# KiCad board PC110.kicad_pcb (continued)
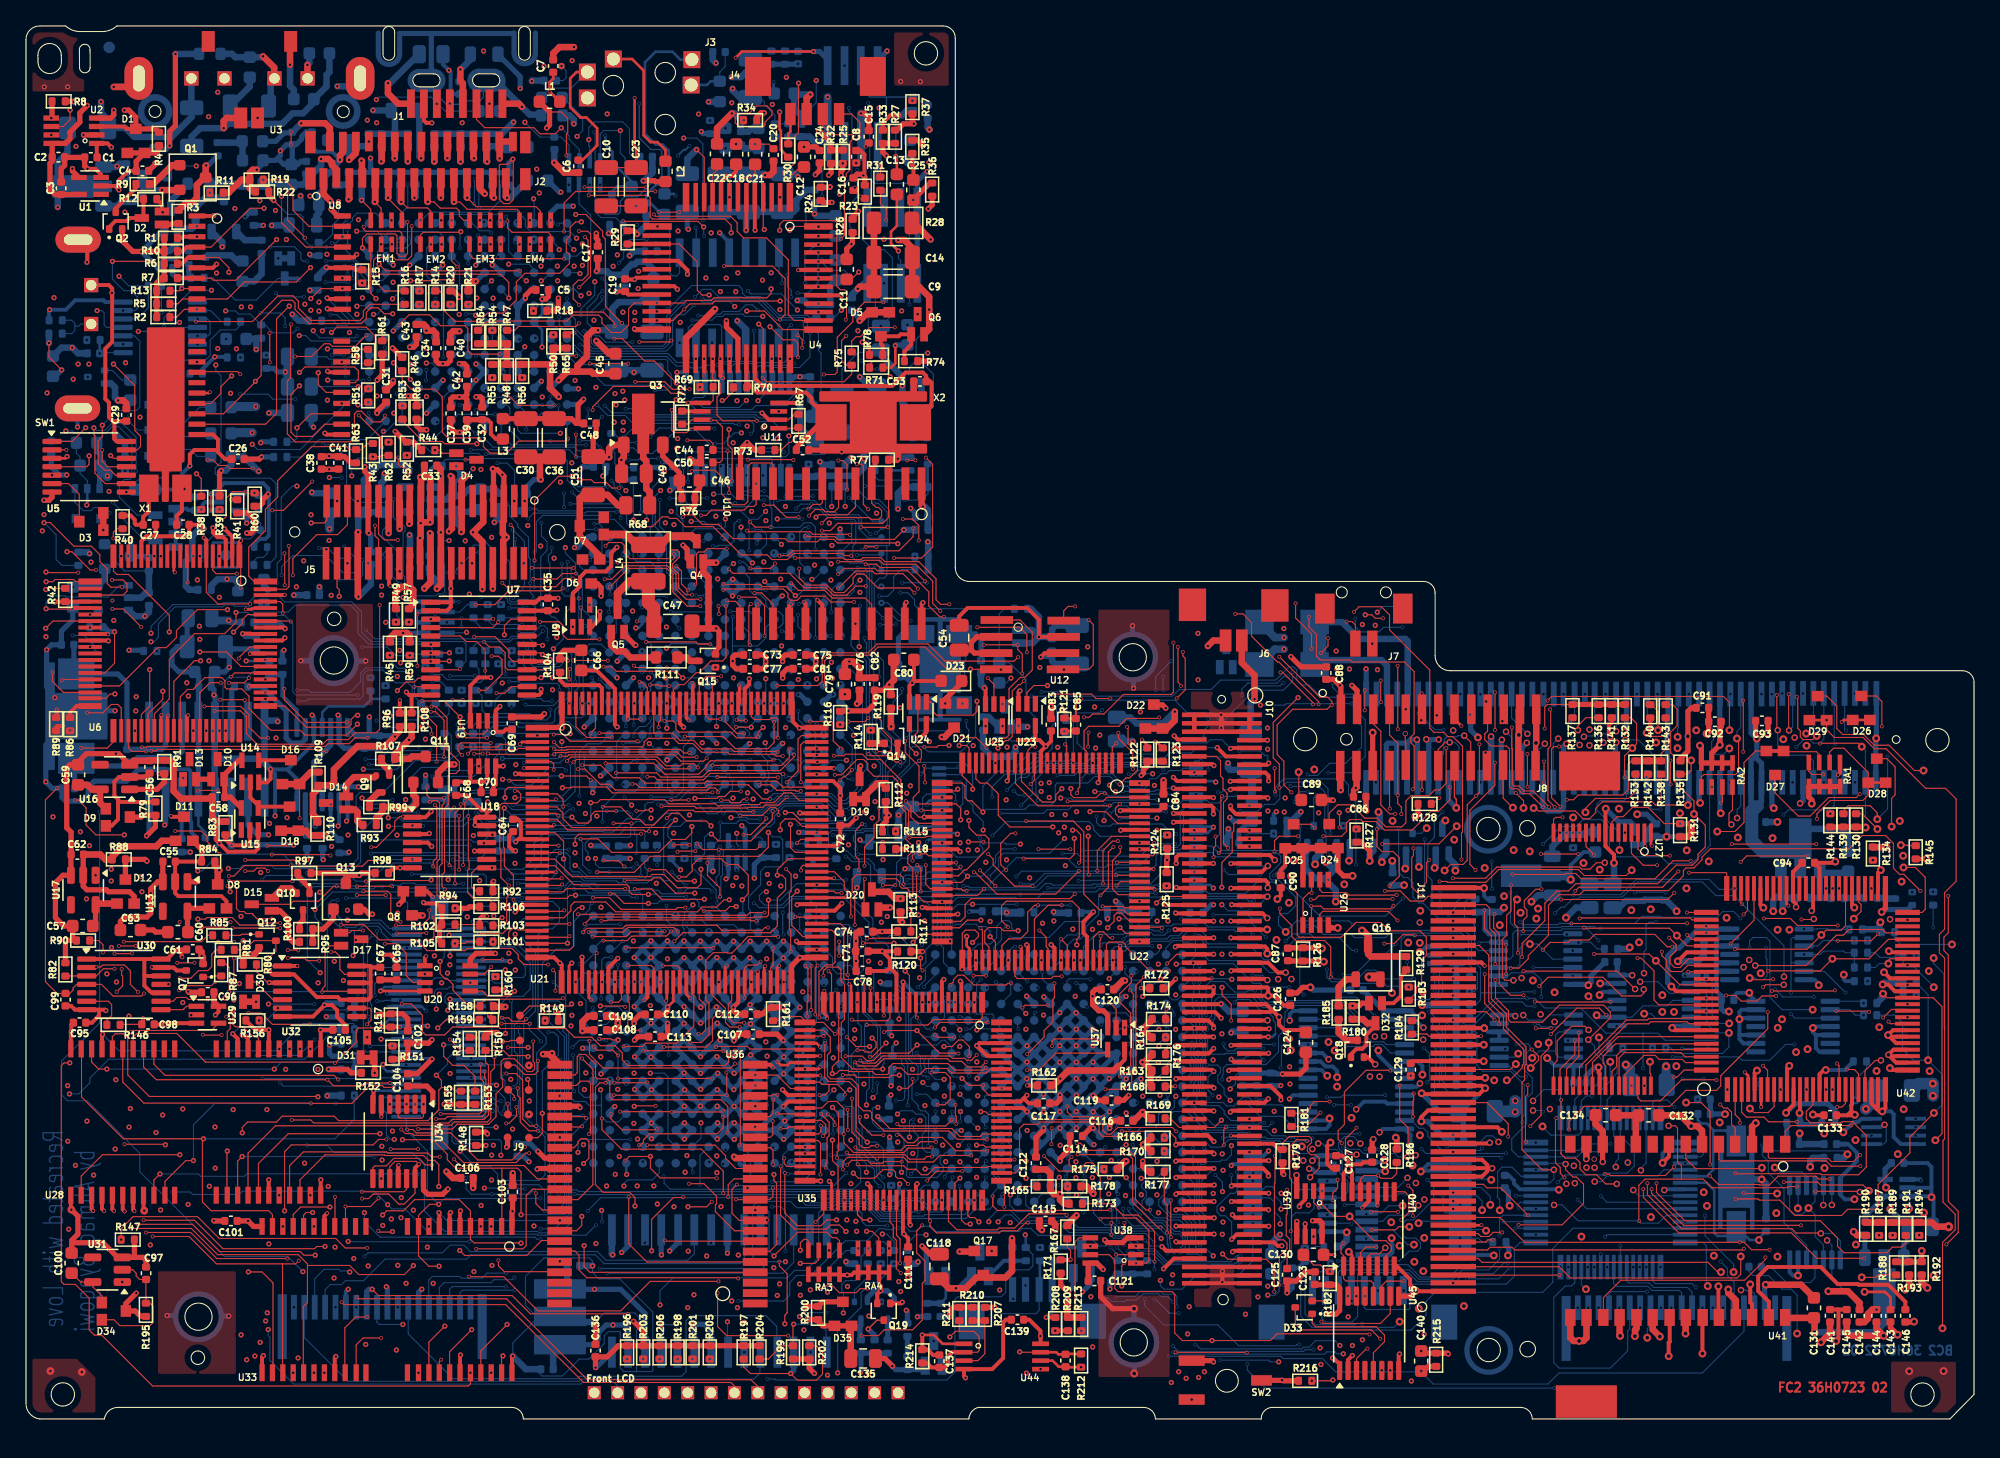
[diagram p0: board, top side]
## Routing (per net, layer and track width the routed paths; a pad name or vN(x,y) marks a point on that pad's centre or on a via; arc(x,y) is an arc through that point) (continued)
CPU_D17: length 155.4
  FC1 w0.08: v1(35.86,18.41) 35.96,18.31 35.96,14.96 v3(35.84,14.84)
  IC1 w0.08: v1(28.91,17.06) 31.14,17.06 31.41,17.33 32.71,17.33 33.79,18.41 v1(35.86,18.41)
  IC2 w0.08: v1(27.51,27.32) 27.63,27.2 28.91,27.2 29.24,27.53 v1(29.24,47.73) ; v1(32.59,67.69) 32.12,67.22 28.15,67.22 24.9,70.47 22.26,70.47 21.56,71.17 21.56,83.84 21.18,84.22 21.18,85.6 v1(21.48,85.9)
  IC3 w0.08: v1(35.86,18.41) 35.88,18.43 59.02,18.43 59.52,18.93 v1(62.13,18.93)
  IC4 w0.08: v1(27.51,27.32) 28.06,27.32 29.36,26.02 29.36,18.45 28.91,18 v1(28.91,17.06)
  BC1 w0.08: v1(29.24,47.73) 29.24,51.6 28.86,51.98 28.86,54.57 29.73,55.44 29.73,56.59 30.07,56.93 30.07,57.82 29.49,58.4 29.49,60.81 29.32,60.98 28.99,60.98 28.79,61.18 28.79,61.5 29.8,62.51 v7(29.8,63.43) ; v7(45,63.53) 44.29,62.82 43.42,62.82 43.11,62.51 42.38,62.51 41.17,63.72 40.1,63.72 39.21,62.83 v7(38.26,62.83) ; v1(21.48,85.9) 21.12,86.26 21.12,87.26 21.35,87.49 21.35,90.15 21.82,90.62 v7(23.56,90.62) ; v7(35.07,63.35) 34.72,63 34,63 33.52,63.48 32.67,63.48 32.56,63.59 v7(32.25,63.59)
  BC2 w0.08: 44.93,64.18 45,64.11 v7(45,63.53) ; U76.R16 61.48,19.57 62.12,18.93 v1(62.13,18.93) ; v1(32.59,67.69) 32.19,67.69 31.92,67.42 31.92,66.17 32.25,65.84 v7(32.25,63.59) 31.76,63.59 31.6,63.43 v7(29.8,63.43) ; v7(23.56,90.62) 23.88,90.62 24.44,91.18 24.44,91.82 24.73,92.11 24.9,92.11 25.16,92.37 25.16,92.59 25.49,92.92 26.94,92.92 U51.B1 ; v7(35.07,63.35) 36.91,63.35 37.08,63.18 37.08,63.01 37.3,62.79 38.22,62.79 v7(38.26,62.83)
  BC2 w0.2: v1(27.51,27.32) 27.51,27.08 27.8,26.79 J15.23
CPU_D18: length 159.8
  FC1 w0.08: v3(35.04,14.84) 35.06,14.86 v1(35.06,16.45)
  IC2 w0.08: v1(28.23,22.18) 28.24,22.17 31.33,22.17 34.87,18.63 34.87,17.42 35.06,17.23 v1(35.06,16.45)
  IC3 w0.08: v1(43.9,13.52) 43.9,15.67 43.09,16.48 35.09,16.48 v1(35.06,16.45)
  BC1 w0.08: v7(43.42,64.08) 43.11,64.39 40.87,64.39 40.76,64.28 39.69,64.28 39.51,64.1 v7(39.16,64.1) ; v1(43.9,13.52) 44.57,14.19 58.71,14.19 59.34,14.82 59.34,18.9 60.06,19.62 v7(60.06,19.64) ; v1(28.23,22.18) 28.23,25.68 27.67,26.24 v7(27.12,26.24) ; v7(39.14,66.2) 38.78,66.2 38.62,66.04 26.45,66.04 26.29,66.2 v7(25.9,66.2) ; v7(18.23,26.23) 18.23,29.26 17.73,29.76 17.73,38.5 16.49,39.74 16.49,52.32 18.65,54.48 21.2,54.48 21.82,55.1 21.82,61.69 22.99,62.86 24.35,62.86 24.57,63.08 24.57,64.18 v7(24.07,64.68) 24.07,71.82 23.97,71.92 23.97,82.48 24.11,82.62 24.11,84.07 23.99,84.19 23.99,85.15 24.06,85.22 24.06,90.28 24.58,90.8 v7(28.71,90.8)
  BC2 w0.08: v7(39.14,66.2) 39.14,64.12 v7(39.16,64.1) ; v7(18.23,26.23) 27.11,26.23 v7(27.12,26.24) 27.17,26.29 J15.24 ; 43.66,64.18 43.56,64.08 v7(43.42,64.08) ; U51.C2 28.9,90.8 v7(28.71,90.8) ; v7(25.9,66.2) 25.93,66.17 25.93,65.01 25.6,64.68 v7(24.07,64.68)
CPU_D19: length 168.7
  FC2 w0.08: v1(38.13,13.55) 38.11,13.57 34.51,13.57 34.23,13.85 U33.5 34.23,16.04 33.37,16.9 29.94,16.9 29.08,16.04 27.79,16.04 v1(27.47,15.72)
  BC1 w0.08: v7(27.49,66.38) 26.73,66.38 26.38,66.73 25.35,66.73 v7(24.95,66.33) 24.93,66.31 24.93,65.15 25.12,64.96 25.12,62.15 25.29,61.98 25.29,56.68 24.86,56.25 24.86,53.7 17.82,46.66 17.82,44.41 19.31,42.92 19.31,27.65 19.56,27.4 v7(19.56,25.92) ; v7(28.79,64.36) 29.31,64.88 30.72,64.88 30.93,64.67 34.23,64.67 34.66,65.1 45.23,65.1 45.48,64.85 v7(45.48,64.6) ; v7(60.07,20.92) 59.7,20.55 57.1,20.55 55.4,18.85 55.4,16.7 54.6,15.9 45.86,15.9 45.21,16.55 39.06,16.55 38.57,16.06 38.57,13.99 v1(38.13,13.55) ; v7(23.58,81.99) 22.57,81.99 22.12,81.54 22.12,78.73 22.1,78.71 22.59,78.22 v7(22.59,67.1) ; v7(25.67,25.67) 25.67,19.55 27.35,17.87 27.35,16.37 27.47,16.25 v1(27.47,15.72) ; v7(24.49,81.99) 24.49,84.11 24.76,84.38 24.76,86.24 25.87,87.35 27.18,87.35 27.47,87.06 27.47,84.41 27.58,84.3 29.22,84.3 29.67,84.75 29.67,85.38 v7(31.03,86.74)
  BC2 w0.08: 29.33,25.78 29.32,25.79 26.16,25.79 26.04,25.67 v7(25.67,25.67) 25.65,25.65 19.83,25.65 v7(19.56,25.92) ; v7(27.49,66.38) 27.49,66.67 27.69,66.87 28,66.87 28.23,66.64 28.23,64.92 v7(28.79,64.36) ; v7(24.95,66.33) 24.03,66.33 23.26,67.1 v7(22.59,67.1) ; 46.2,62.91 45.48,63.63 v7(45.48,64.6) ; U51.E5 31.19,86.74 v7(31.03,86.74) ; v7(24.49,81.99) v7(23.58,81.99)
CPU_D20: length 171.5
  FC2 w0.3: v1(32.7,15.91) 32.64,15.85 U33.7
  FC1 w0.08: v1(47.19,88.44) 47.68,87.95 47.68,80.28 48.08,79.88 48.08,70.24 49.25,69.07 v1(49.25,69.06) ; v1(32.7,15.91) 32.7,16.4 29.27,19.83 29.27,20.05 28.37,20.95 v1(28.37,21.54)
  IC1 w0.08: v1(32.7,15.91) 33.41,15.2 38.15,15.2 39.08,16.13 44.28,16.13 v1(44.34,16.07)
  IC4 w0.08: v1(44.34,16.07) 44.34,16.61 44.99,17.26 48.17,17.26 48.77,17.86 48.77,39.19 49.34,39.76 49.34,43.86 49.24,43.96 49.24,47.71 50.49,48.96 50.49,50.59 50.12,50.96 50.12,64.51 49.24,65.39 49.24,69.05 v1(49.25,69.06)
  BC1 w0.08: 47.19,88.45 47.19,90.42 46.15,91.46 46.15,92.96 46.03,93.08 46.03,97.31 45.66,97.68 40.74,97.68 39.21,99.21 39.21,99.8 38.51,100.5 37.66,100.5 36.83,101.33 36.05,101.33 35.57,100.85 35.57,98.89 35.98,98.48 35.98,95.89 35.19,95.1 29.47,95.1 v7(29.41,95.16) ; v1(49.25,69.06) 49.25,68.27 49.49,68.03 49.49,65.66 50.3,64.85 50.3,60.94 v7(50.32,60.92) ; v7(58.99,19.82) 58.57,20.24 57.22,20.24 56.78,19.8 56.78,16.05 55.93,15.2 44.39,15.2 v7(44.37,15.22)
  BC2 w0.08: 50.02,61.61 50.02,61.22 v7(50.32,60.92) ; v7(44.37,15.22) 44.37,16.04 v1(44.34,16.07) ; 29.33,24.78 29.32,24.79 27.48,24.79 27.28,24.59 27.28,24.05 27.77,23.56 27.77,21.86 28.09,21.54 v1(28.37,21.54) ; U51.C1 28.98,92.98 29.41,93.41 v7(29.41,95.16)
CPU_D21: length 155.3
  FC2 w0.3: v1(31.81,15.9) 31.84,15.88 U33.8
  FC1 w0.08: v1(31.81,15.9) 31.8,15.89 30.99,15.89 30.96,15.92 30.94,15.92 30.78,16.08 29.85,16.08 v1(29.84,16.09)
  IC4 w0.08: v1(29.84,16.09) 29.13,16.09 28.01,17.21 28.01,20.2 27.71,20.5 26.91,20.5 26.61,20.8 26.61,24.02 26.17,24.46 26.17,38.8 24.32,40.65 24.32,44.51 v1(24.81,45)
  BC1 w0.08: v7(24.56,88.87) 24.24,88.55 24.24,85.04 24.16,84.96 24.16,84.33 24.29,84.2 24.29,82.43 24.19,82.33 24.19,81.47 v7(24.6,81.06) ; v7(25.46,66.27) 25.46,65.99 25.77,65.68 27.01,65.68 27.15,65.82 40.74,65.82 40.87,65.95 41.26,65.95 v7(41.29,65.92) ; v7(29.29,24.29) 29.84,23.74 v1(29.84,16.09) ; v7(24.63,80.39) 24.6,80.36 24.6,68.21 24.52,68.13 v7(24.52,67.24) ; v7(42.18,63.71) 42.36,63.53 43.78,63.53 44.08,63.83 45.23,63.83 45.38,63.68 45.38,63.07 44.89,62.58 v7(44.89,62.2) ; 26.5,65.68 26.49,65.67 26.49,59.44 25.76,58.71 25.76,57.37 25.87,57.26 25.87,55.28 25.11,54.52 25.11,45.7 24.81,45.4 v1(24.81,45) 24.81,45.01 ; v7(58.29,19.12) 58.29,15.43 57.42,14.56 41.09,14.56 v7(40.36,15.29) ; v7(24.77,88.22) 25.39,88.22 25.81,88.64 25.81,88.91 27.06,90.16 29.8,90.16 v7(30.31,90.67)
  BC2 w0.08: v7(24.52,67.24) 24.52,67.21 v7(25.46,66.27) ; v1(31.81,15.9) 32.42,15.29 v7(40.36,15.29) ; 24.6,80.42 v7(24.63,80.39) ; v7(58.29,19.12) 58.29,20.33 U76.N15 ; 44.94,62.88 44.94,62.25 v7(44.89,62.2) ; v7(30.31,90.67) 30.31,90.82 U51.D2 ; v7(24.56,88.87) 24.77,88.66 v7(24.77,88.22) ; v7(41.29,65.92) 41.29,63.65 41.53,63.41 41.88,63.41 v7(42.18,63.71)
  BC2 w0.1: v7(24.6,81.06) 24.6,80.42
CPU_D22: length 189.9
  FC1 w0.08: v1(27.86,16.51) 28.21,16.16 29.14,16.16 30.47,14.84 v3(31.04,14.84)
  BC1 w0.08: v7(43.61,62.26) 42.21,62.26 v7(41.96,62.51) ; v7(19.69,65.03) 18.79,65.03 18.05,64.29 18.05,63.74 19.04,62.75 19.04,61.83 18.27,61.06 15.3,61.06 13.75,59.51 12.75,59.51 11.26,58.02 v7(11.26,17.49) ; v7(27.96,91.43) 27.54,91.01 24.42,91.01 23.87,90.46 23.87,85.32 23.77,85.22 23.77,84.52 23.55,84.3 21.93,84.3 21.7,84.07 21.7,71.91 19.69,69.9 19.69,65.05 ; v7(26.19,60.8) 26.19,64.66 v7(25.63,65.22) ; v7(41.56,61.62) 40.14,61.62 39.81,61.29 v7(39.81,60.71) ; v1(27.86,16.51) 27.86,17.51 29.44,19.09 29.44,22.76 29.29,22.91 v7(29.29,23.79) ; v7(43.9,14.93) 56.29,14.93 57.08,15.72 57.08,19.18 v7(57.53,19.63)
  BC2 w0.08: v7(25.63,65.22) 24.41,65.22 23.09,66.54 20.56,66.54 19.69,65.67 v7(19.69,65.03) ; v7(11.26,17.49) 12.64,17.49 12.83,17.3 16.42,17.3 16.67,17.55 26.82,17.55 v1(27.86,16.51) 28.18,16.19 29.19,16.19 31.14,14.24 39.35,14.24 39.43,14.16 43.12,14.16 43.89,14.93 v7(43.9,14.93) ; v7(39.81,60.71) 39.41,60.31 37.41,60.31 37.16,60.06 36.44,60.06 36.38,60.12 26.87,60.12 v7(26.19,60.8) ; 43.67,62.88 43.67,62.32 v7(43.61,62.26) ; U76.M16 57.59,19.63 v7(57.53,19.63) ; U51.E3 32.17,90.26 32.17,91.09 31.76,91.5 28.03,91.5 v7(27.96,91.43) ; v7(41.96,62.51) 41.56,62.11 v7(41.56,61.62)
CPU_D23: length 211.2
  FC2 w0.08: v1(31.79,16.54) 31.09,16.54 30.23,15.69 30.23,12.57 31.03,11.77 v1(31.82,11.77)
  IC2 w0.08: v1(47.15,87.11) 46.13,87.11 43.77,89.47 39.76,89.47 36.71,86.42 36.71,79.5 33.95,76.74 33.95,74.67 33.32,74.04 33.32,71.44 34.98,69.78 34.98,67.64 33.15,65.81 29.79,65.81 28.21,64.23 28.21,58.38 25.04,55.21 25.04,53.23 26.81,51.46 26.81,40.14 26.06,39.39 26.06,33.91 24.51,32.36 24.51,15.57 27.81,12.27 31.32,12.27 v1(31.82,11.77)
  BC1 w0.08: v7(36.55,95.28) 37.09,95.28 37.92,96.11 37.92,98.08 38.38,98.54 38.95,98.54 40.04,97.45 45.5,97.45 45.84,97.11 45.84,92.99 45.98,92.85 v7(45.98,90.39) ; v7(46.71,82.98) 46.71,81.65 47.34,81.02 v7(47.34,71.16) ; v7(47.37,69.86) 47.37,68.33 48.18,67.52 48.18,63.93 48.71,63.4 v7(48.71,62.19) ; v7(44.4,86.93) 44.74,86.93 45.12,87.31 46.29,87.31 46.49,87.11 v1(47.15,87.11) 47.51,87.11 47.81,87.41 47.81,88.91 47.55,89.17 47.55,90.12 47.81,90.38 v7(47.81,90.92) ; v7(57.54,20.91) 57.08,20.91 54.85,18.68 54.47,18.68 52.78,16.99 v7(39.62,16.99)
  BC2 w0.08: v7(47.37,69.86) 47.34,69.89 v7(47.34,71.16) ; U51.D1 31.1,93 35.63,93 36.55,93.92 v7(36.55,95.28) ; v7(47.81,90.92) 47.42,90.92 47.39,90.89 46.48,90.89 v7(45.98,90.39) ; v7(48.71,62.19) 48.76,62.15 U61.E6 ; U76.M15 57.72,20.98 ; v7(44.4,86.93) 44.03,86.56 44.03,86.38 43.23,85.58 43.23,84.46 43.58,84.11 43.58,83.75 43.86,83.47 44.16,83.47 44.65,82.98 v7(46.71,82.98) ; J15.30 29.29,22.27 30.92,20.64 30.92,17.41 v1(31.79,16.54) 32.24,16.99 v7(39.62,16.99)
CPU_D24: length 174.6
  FC1 w0.08: v3(30.23,3.56) 30.94,4.27 30.94,13.22 v1(30.92,13.24)
  IC1 w0.08: v1(23.81,13.24) v1(30.92,13.24)
  IC2 w0.08: v1(23.81,13.24) 21.45,15.6 21.45,18.84 21.98,19.37 21.98,34.08 22.29,34.39 v1(22.66,34.39)
  BC1 w0.08: v7(41.99,65.61) 28.99,65.61 28.87,65.49 v7(28.56,65.49) 28.1,65.03 28.1,64.01 28.21,63.9 28.21,60.29 27.46,59.54 27.46,56.96 27.07,56.57 27.07,54.62 27.33,54.36 27.33,53.7 26.83,53.2 26.83,51.35 27.25,50.93 27.25,41.63 27.44,41.44 v7(27.44,41.02) ; v7(23.66,74.7) 23.66,74.71 23.67,74.72 23.67,81.33 v7(23.66,81.34) ; v7(32.79,87.84) 32.51,87.84 31.96,87.29 31.96,86.25 31.67,85.96 30.57,85.96 29.91,85.3 29.91,84.15 29.09,83.33 v7(27.04,83.33) ; v1(30.92,13.24) 30.92,22.92 v7(31.2,23.2) ; v7(46.2,60.99) 45.89,61.3 43.55,61.3 43.35,61.1 v7(43.05,61.1) ; v7(56.44,21.1) 56.45,21.11 56.45,23.66 55.59,24.52 40.52,24.52 40.09,24.09 36.29,24.09 v7(35.94,23.74)
  BC2 w0.08: U76.L15 56.44,21.02 v7(56.44,21.1) ; v7(28.56,65.49) 28.56,66.9 27.45,68.01 27.45,68.48 28.1,69.13 28.1,70.41 27.87,70.64 25.38,70.64 24.69,71.33 24.69,74.09 24.08,74.7 v7(23.66,74.7) ; v7(43.05,61.1) 42.58,61.57 42.58,64.05 41.99,64.64 v7(41.99,65.61) ; v7(46.2,60.99) 46.2,61.64 ; v7(27.04,83.33) 27.04,81.68 26.7,81.34 v7(23.66,81.34) ; v1(22.66,34.39) 21.67,35.38 21.67,40.57 22.13,41.03 24.12,41.03 24.29,40.86 26.79,40.86 26.95,41.02 v7(27.44,41.02) ; v7(31.2,23.2) 31.79,23.79 34.32,23.79 34.33,23.78 ; v7(32.79,87.84) U51.F4
  BC2 w0.2: v7(35.94,23.74) 35.9,23.78
  BC2 w0.3: J15.32 35.89,23.79 v7(35.94,23.74)
CPU_D25: length 133.3
  FC2 w0.08: v1(32.26,7.15) 31.04,5.93 U33.36
  BC1 w0.08: v7(35.9,66.38) v7(36.91,66.38) ; v7(32.15,81.82) 32.43,81.82 32.81,81.44 32.81,81.13 33.15,80.79 33.35,80.79 33.76,80.38 33.76,79.38 33.56,79.18 33.18,79.18 32.88,78.88 32.88,74.56 31.52,73.2 31.52,71.29 33.07,69.74 34.06,69.74 34.87,68.93 v7(34.87,67.86) ; v7(37.98,23.39) 38.39,22.98 40.08,22.98 40.39,23.29 42.26,23.29 42.59,22.96 44.2,22.96 44.45,23.21 47.31,23.21 47.54,22.98 47.54,22.57 47.73,22.38 54.52,22.38 55.16,21.74 v7(55.16,19.84) ; v7(44.9,60.97) 44.54,60.97 44.38,60.81 41.9,60.81 41.29,61.42 40.62,61.42 40.22,61.02 40.22,60.66 39.98,60.42 39.59,60.42 39.22,60.79 v7(39.22,61.3) 39,61.3 38.9,61.2 38.9,59.06 38.57,58.73 38.57,57 39.1,56.47 39.1,53.24 39.41,52.93 39.41,42.27 39.32,42.18 39.32,33.21 39.08,32.97 39.08,30.29 38.95,30.16 v7(37.93,30.16) ; v1(32.26,7.15) 32.26,16.35 34.36,18.45 34.36,24.22 v7(34.29,24.29)
  BC2 w0.08: v7(39.22,61.3) 39.22,62.6 38.66,63.16 37.92,63.16 37.72,62.96 37.38,62.96 37.25,63.09 37.25,66.04 v7(36.91,66.38) ; v7(34.87,67.86) 35.13,67.86 35.9,67.09 v7(35.9,66.38) ; v7(32.15,81.82) 32.15,87.41 31.83,87.73 31.22,87.73 30.87,88.08 30.87,90.23 U51.E2 ; v7(37.93,30.16) 37.93,29.76 38.04,29.65 38.04,24.63 37.95,24.54 37.95,23.42 v7(37.98,23.39) 36.68,23.39 36.37,23.7 36.37,24.04 36.12,24.29 v7(34.29,24.29) ; U76.K16 55.16,19.74 v7(55.16,19.84) ; v7(44.9,60.97) 44.93,61 44.93,61.64
CPU_D26: length 160
  FC2 w0.08: v3(31.98,4.57) 31.84,4.43 U33.37
  FC1 w0.08: v1(39.13,14.87) 39.13,4.68 37.58,3.13 32.74,3.13 31.98,3.89 v3(31.98,4.57) ; v1(41.55,67.15) 40.38,67.15 40.38,67.17 39.52,68.03 39.52,71.48 39.12,71.88 39.12,78.87 39.56,79.31 41.09,79.31 41.83,80.05 41.83,87.8 41.46,88.17 40.97,88.17 40.48,88.66 40.48,90.25 41.22,90.99 v1(42.41,90.99)
  IC2 w0.08: v1(38.77,24.5) 38.23,25.04 38.23,26.48 39.27,27.52 39.27,29.92 39,30.19 37.71,30.19 37.39,30.51 35.87,30.51 35.25,31.13 35.25,33.09 35.82,33.66 38,33.66 39.14,34.8 39.14,55.81 38.44,56.51 38.44,66.22 38.74,66.52 40.3,66.52 40.93,67.15 v1(41.55,67.15)
  IC4 w0.08: v1(38.77,24.5) 38.77,22.8 39.95,21.62 39.95,17.9 39.13,17.08 v1(39.13,14.87)
  BC1 w0.08: v7(55.88,18.67) 55.88,16.43 55.01,15.56 43.94,15.56 43.8,15.7 43.8,16.2 43.65,16.35 39.64,16.35 39.13,15.84 v1(39.13,14.87) ; v1(38.77,24.5) 36.59,24.5 v7(36.58,24.49)
  BC2 w0.08: v1(42.41,90.99) 41.89,91.51 38.87,91.51 38.47,91.91 38.47,92.43 37.83,93.07 36.52,93.07 36.28,92.83 32.2,92.83 U51.E1 ; v1(41.55,67.15) 41.55,66.72 42.33,65.94 42.33,65.22 42.85,64.7 42.85,62.42 43.05,62.22 43.06,62.22 43.67,61.61 ; J15.34 35.93,24.79 36.23,24.49 v7(36.58,24.49) ; v7(55.88,18.67) 55.79,18.76 55.79,20.32 U76.K15
CPU_D27: length 132.3
  FC2 w0.08: U33.38 32.64,5.19 v1(34.33,6.88)
  FC1 w0.08: v1(45.23,88.83) 44.83,88.43 44.83,82.59 44.55,82.31 44.55,75.37 45.34,74.58 45.34,68.79 45.9,68.23 45.9,61.58 46.52,60.96 v1(46.97,60.96)
  IC4 w0.08: v1(42.94,21.14) 42.94,23.49 45.97,26.52 45.97,60.05 45.96,60.05 45.96,60.51 46.41,60.96 v1(46.97,60.96)
  BC1 w0.08: v7(33.38,87.2) 36.08,87.2 36.14,87.26 38.92,87.26 38.96,87.3 39.55,87.3 39.6,87.25 39.94,87.25 40.06,87.37 40.65,87.37 40.84,87.18 41.49,87.18 41.88,87.57 43.25,87.57 43.6,87.22 44.21,87.22 45.23,88.24 v1(45.23,88.83) ; v1(34.33,6.88) 34.34,6.88 36.32,8.86 36.32,18.79 37.66,20.13 37.66,21.14 ; 37.66,21.14 37.66,21.27 36.82,22.11 v7(36.82,23.69) ; 37.66,21.14 v1(42.94,21.14) 43.49,21.14 44.07,20.56 44.07,20.27 44.92,19.42 46.8,19.42 47.23,18.99 49.92,18.99 50.34,19.41 52.71,19.41 52.94,19.64 v7(53.69,19.64)
  BC2 w0.08: v7(53.69,19.64) 53.79,19.64 U76.J16 ; J15.35 36.32,25.29 36.91,24.7 36.91,24.19 36.82,24.1 v7(36.82,23.69) ; U51.F3 33.4,89 33.4,87.22 v7(33.38,87.2)
  BC2 w0.2: 47.47,61.64 47.47,61.25 47.18,60.96 v1(46.97,60.96)
CPU_D28: length 339.1
  FC2 w0.08: v1(3.37,27.44) 2.93,27.44 2.72,27.23 2.72,10.58 2.93,10.37 3.8,10.37 4.87,9.3 4.87,6.86 5.27,6.46 5.83,6.46 9.75,2.54 34.08,2.54 34.23,2.7 v3(34.23,3.56)
  FC1 w0.08: v3(34.23,3.56) 34.24,3.56 35.44,4.76 35.44,16.93 35.31,17.06 v1(35.31,17.79) 35.31,18.39 34.89,18.81 34.89,22.1 35.28,22.49 v1(36.21,22.49)
  IC1 w0.08: v1(39.9,104.24) 39.9,101.99 38.33,100.42 26.62,100.42 v1(26.29,100.09)
  IC2 w0.08: v1(26.29,100.09) 25.2,99 22.3,99 17.27,93.97 17.27,93.59 10.09,86.41 v1(2.16,86.41) ; v1(36.21,22.49) 36.21,23.11 36.22,23.12 36.22,23.19 36.71,23.68 38.9,23.68 39.73,24.51 43.46,24.51 43.69,24.74 43.69,27.04 41.68,29.05 41.68,29.82 41.52,29.98 41.52,32.34 44.24,35.06 44.24,37.09 40.87,40.46 40.87,50.29 41.92,51.34 v1(41.92,52.81)
  IC4 w0.08: v1(41.92,52.81) 41.92,55.26 42.72,56.06 42.72,59.54 41.89,60.37 41.89,65.86 42.67,66.64 42.67,70.44 41.58,71.53 41.58,74.96 41.65,75.03 41.65,96.99 39.72,98.92 39.72,99.92 39.88,100.08 39.88,104.22 v1(39.9,104.24) ; v1(3.37,27.44) 3.87,27.94 3.87,36.65 3.11,37.4 3.11,65.3 3.62,65.81 3.62,71.62 2.21,73.03 2.21,76.49 1.89,76.81 1.89,78.51 2.22,78.84 2.22,79.98 1.99,80.2 1.99,81.66 2.42,82.09 2.42,83.49 2.23,83.67 2.23,86.34 v1(2.16,86.41)
  BC1 w0.08: v7(42.61,58.05) 44.42,58.05 v7(46.2,59.83) ; v7(33.78,22.47) 33.78,22.93 34.01,23.16 34.01,26.01 v7(34.29,26.29) ; v7(38.43,17.75) 39.05,18.37 53.41,18.37 54.06,19.02 54.06,19.06 54.07,19.07 54.07,20.56 v7(53.89,20.74) ; v1(39.9,104.24) 39.9,103.11 38.78,101.99 37.17,101.99 36.78,101.6 35.61,101.6 35.09,101.08 v7(35.09,95.57) ; v7(32.73,90.6) 35.73,90.6 37.3,92.17 37.3,92.76 36.86,93.2 35.39,93.2 35.27,93.32 v7(34.88,93.32) ; v1(41.92,52.81) 41.92,53.3 42.13,53.51 42.13,54.05 42.25,54.17 v7(42.25,54.76)
  BC2 w0.08: v7(38.43,17.75) 38.41,17.73 37.97,17.73 37.91,17.79 v1(35.31,17.79) ; v7(34.88,93.32) 34.88,95.05 35.09,95.26 v7(35.09,95.57) ; v7(42.61,58.05) 42.61,56.4 42.25,56.04 v7(42.25,54.76) ; v7(33.78,22.47) 36.19,22.47 v1(36.21,22.49) ; U51.F2 32.73,90.82 v7(32.73,90.6) ; v7(53.89,20.74) 53.89,20.95 U76.J15 ; v7(46.2,59.83) 46.2,60.37
CPU_D29: length 135.5
  FC2 w0.08: U33.41 35.04,5.25 37.06,7.27 v1(37.06,7.28)
  IC4 w0.08: v1(37.06,7.28) 37.06,19.93 37.46,20.33 37.46,22.32 v1(37.48,22.34)
  BC1 w0.08: v7(41.65,58.68) 44.33,58.68 44.93,59.28 v7(44.93,59.85) ; v1(37.48,22.34) 40.32,22.34 v7(40.33,22.35) 43.21,22.35 44.8,20.76 44.8,20.54 45.7,19.64 46.89,19.64 47.34,19.19 49.73,19.19 50.22,19.68 52.02,19.68 52.15,19.81 v7(52.63,19.81) ; v7(35.92,85.84) 35.57,85.84 35.34,86.07 35.34,86.69 35.15,86.88 v7(32.86,86.88) ; v7(45.9,62.22) 46.77,63.09 46.77,64.67 46.14,65.3 44.73,65.3 43.79,66.24 43.79,67.25 43.47,67.57 43.47,74.36 43.58,74.47 44.53,74.47 44.61,74.55 46.12,74.55 46.7,75.13 46.7,79.31 45.82,80.19 44.31,80.19 42.63,81.87 40.76,81.87 40.63,82 37.47,82 v7(36.89,82.58) ; v7(42.22,25.26) 40.37,25.26 v7(40.35,25.28) 40.31,25.24 36.11,25.24 34.56,26.79 v7(34.29,26.79) ; v7(42.14,28.04) 42.13,28.03 40.95,28.03 40.57,27.65 39.53,27.65 39.26,27.92 39.26,32.31 39.49,32.54 39.49,41.84 39.6,41.95 39.6,53.16 39.28,53.48 39.28,54.84 40.11,55.67 40.11,56.34 40.39,56.62 41.4,56.62 v7(41.64,56.86)
  BC2 w0.08: v7(42.14,28.04) 42.14,25.34 v7(42.22,25.26) ; v7(32.86,86.88) 32.86,87 U51.F5 ; v7(52.63,19.81) 52.63,19.75 U76.H16 ; v7(41.65,58.68) 41.64,58.67 v7(41.64,56.86) ; v7(40.33,22.35) 40.35,22.37 v7(40.35,25.28) ; v7(36.89,82.58) 36.49,82.58 35.92,83.15 v7(35.92,85.84) ; v7(45.9,62.22) 45.46,61.78 45.46,60.59 45.24,60.37 44.93,60.37 v7(44.93,59.85)
CPU_D30: length 243.1
  FC1 w0.08: v1(35.9,11.83) 36.01,11.72 36.01,3.71 35.86,3.56
  IC1 w0.08: v1(1.63,79.07) 2.13,79.57 8.23,79.57 9.01,78.79 9.05,78.79 9.61,78.23 16.43,78.23 17.44,79.24 18.03,79.24 18.85,80.06 18.88,80.06 18.88,81.79 21.7,84.61 22.31,84.61 22.57,84.87 v1(22.57,85.37)
  IC3 w0.08: v1(35.9,11.83) 35.9,13 35.03,13.87 26.88,13.87 26.13,14.62 v1(3.29,14.62)
  IC4 w0.08: v1(1.63,79.07) 1.63,76.18 1.8,76.01 1.8,70.38 2.74,69.44 2.74,67.41 2.75,67.4 2.62,67.28 2.62,15.29 v1(3.29,14.62)
  BC1 w0.08: v7(39.13,17.66) 39.14,17.67 43.37,17.67 43.51,17.53 51.39,17.53 v7(51.92,18.06) ; v7(27.08,89.56) 25.42,87.9 v7(25.16,87.9) ; v7(37.97,58.47) 38.21,58.23 38.21,56.63 38.76,56.08 38.76,52.86 39.07,52.55 39.07,42.9 38.95,42.78 38.95,34.08 38.75,33.88 36.99,33.88 36.44,33.33 36.44,32.62 36.85,32.21 v7(37.36,32.21) ; v7(24.78,90.49) 24.78,89.57 25.17,89.18 v7(25.17,88.85) ; v7(40.16,60.09) 40.47,59.78 41.28,59.78 41.74,60.24 v7(43.42,60.24) ; v7(29.63,91.06) 29.99,91.42 32.28,91.42 v7(32.73,91.87) ; v7(35.87,17.32) 35.88,17.31 35.88,11.85 v1(35.9,11.83) ; v1(22.57,85.37) 22.22,85.02 21.37,85.02 20.74,85.65 20.74,89.87 21.83,90.96 22.26,90.96 22.87,91.57 24.35,91.57 24.42,91.64 v7(24.76,91.64) ; v7(37.93,59.8) 37.95,59.82 v7(37.95,60.6) ; v7(33.9,18.58) 33.9,21.4 33.46,21.84 33.46,23.05 33.78,23.37 33.78,26.78 v7(34.29,27.29)
  BC2 w0.08: U76.H15 51.92,20.31 v7(51.92,18.06) ; v7(32.73,91.87) 32.73,92.09 U51.F1 ; v7(24.76,91.64) 24.78,91.62 v7(24.78,90.49) ; v7(25.17,88.85) 25.17,87.91 v7(25.16,87.9) ; v7(33.9,18.58) 33.9,17.72 34.3,17.32 v7(35.87,17.32) 38.79,17.32 v7(39.13,17.66) ; v7(43.42,60.24) 43.53,60.24 43.66,60.37 ; v7(37.97,58.47) 37.97,59.76 v7(37.93,59.8) ; v7(29.63,91.06) 29.63,90.59 29.27,90.23 27.34,90.23 27.08,89.97 v7(27.08,89.56) ; v7(37.36,32.21) 37.42,32.15 37.42,28.1 36.61,27.29 v7(34.29,27.29) ; v7(37.95,60.6) 39.11,60.6 39.64,61.14 39.92,61.14 40.16,60.89 v7(40.16,60.09)
  vias: v3(35.84,3.56)
CPU_D31: length 166.5
  FC2 w0.08: U33.43 36.64,4.76 v1(36.74,4.86)
  IC2 w0.08: v1(33.37,85.12) 34.07,85.82 34.07,87.64 38.19,91.76 45.76,91.76 48.15,89.37 50.93,89.37 v1(52.37,87.93)
  IC3 w0.08: v1(36.58,20.32) 37.37,20.32 38.83,18.86 43.62,18.86 44.28,19.52 50.93,19.52 51.47,18.98 v1(53.22,18.98)
  IC4 w0.08: v1(53.22,18.98) 53.87,19.63 53.87,39.65 53.44,40.08 53.44,40.95 52.41,41.98 52.41,42.67 51.85,43.23 51.42,43.23 50.62,44.03 50.62,47.68 51.46,48.52 51.46,50.72 52.09,51.35 v1(52.09,52.11) 52.09,53.17 51.43,53.83 51.43,58.01 50.68,58.76 50.68,65.1 50.09,65.69 50.09,67.82 50.8,68.53 50.8,69.45 51.21,69.86 51.21,70.74 50.75,71.2 50.75,73.39 49.52,74.62 49.52,75.21 49.75,75.44 49.75,78.05 49.23,78.57 49.23,82.68 49.75,83.2 49.75,87.4 49.93,87.58 52.02,87.58 v1(52.37,87.93) ; v1(36.58,20.32) 36.58,5.02 v1(36.74,4.86)
  BC1 w0.08: v1(33.37,85.12) 33.01,85.12 32.41,85.72 32.41,86.98 33.28,87.85 v7(34.06,87.85) ; v7(34.29,27.79) 33.56,27.06 33.56,23.56 33.16,23.16 v7(33.16,21.52) ; v1(53.22,18.98) 53.22,19.07 51.44,19.07 v7(51.37,19) ; v1(52.09,52.11) v7(52.09,58.4)
  BC2 w0.08: v7(34.06,87.85) U51.G4 ; v7(33.16,21.52) 36.45,21.52 36.62,21.35 36.62,20.36 v1(36.58,20.32) ; v7(52.09,58.4) 48.52,58.4 48.17,58.75 48.17,59.65 47.48,60.34 ; v7(51.37,19) 51.32,19.05 U76.G16
CPU_DC#: length 62.5
  FC2 w0.2: U21.41 43.35,32.47 v3(43.52,32.3)
  FC1 w0.08: v3(43.52,32.3) 42.45,33.37 40.61,33.37 40.49,33.25 40.49,32.01 40.63,31.87 41.28,31.87 v1(42.05,31.1)
  BC1 w0.08: v7(42.64,28.04) 42.64,28.21 42.41,28.44 42.41,30.74 v1(42.05,31.1) 41.62,31.1 41.4,31.32 41.4,32.25 40.37,33.28 40.37,37.8 40.78,38.21 40.78,39.11 40.61,39.28 40.61,48.81 40.88,49.08 41.61,49.08 42.83,50.3 43.15,50.3 44.17,51.32 44.17,52.66 45.36,53.85 47.33,53.85 48.06,53.12 48.54,53.12 49.3,53.88 49.72,53.88 51.05,55.21 51.05,59.89 51.93,60.77 51.93,63.75 51.84,63.84 51.84,67.3 v7(52.19,67.65)
  BC2 w0.08: v7(52.19,67.65) 52.21,67.65 52.55,67.99 ; v7(42.64,28.04) 42.64,25.95 42.58,25.89 42.58,25.21 43,24.79 U76.A12
CPU_EADS#: length 143.1
  FC2 w0.08: v3(39.18,66.15) 39.18,70.8 41.03,72.65 v1(42.05,72.65)
  FC1 w0.08: v1(26.07,15.9) 26.07,16.15 26.18,16.26 26.18,18.01 26.01,18.18 26.01,20.4 25.74,20.67 25.74,25.06 25.88,25.2 25.88,32.41 26.9,33.43 26.9,35.9 27.29,36.29 27.83,36.29 28.02,36.48 28.02,40.54 27.81,40.75 27.81,42.43 27.44,42.8 27.44,45.02 27.17,45.29 27.17,47.64 28.95,49.42 28.95,52.92 30.04,54.01 32.23,54.01 33.15,54.93 33.15,58.15 33.96,58.96 34.97,58.96 35.6,59.59 35.6,61.93 36.1,62.43 37.85,62.43 39.4,63.98 39.4,65.93 v3(39.18,66.15)
  BC1 w0.08: v7(48.69,74.02) 48.7,74.01 49.6,74.01 50.16,73.45 50.16,73.05 v7(50.99,72.22) 51.9,71.31 51.9,68.72 53.35,67.27 53.35,67.02 v7(52.55,66.21) ; v7(44.81,71.84) 45.63,71.02 46.51,71.02 46.67,71.18 46.67,72.71 46.4,72.98 v7(46.4,73.91) ; v7(39.64,13.85) v7(39.64,14.65) ; v7(57.6,71.38) v7(57.6,74.45)
  BC2 w0.08: v7(48.69,74.02) 47.28,74.02 47.17,73.91 v7(46.4,73.91) ; v7(50.99,72.22) 50.99,73.59 50.78,73.8 50.78,74.28 51.03,74.53 57.52,74.53 v7(57.6,74.45) ; v7(39.64,14.65) 40.71,14.65 41.81,15.75 41.81,21.63 U76.A13 ; J12.4 65.89,65.92 65.65,66.16 63.93,66.16 63.69,66.4 63.69,67.26 63.92,67.49 63.92,69.17 63.77,69.32 62.32,69.32 62.18,69.46 61.76,69.46 61.04,70.18 59.88,70.18 59.55,69.85 58.14,69.85 57.6,70.39 v7(57.6,71.38) ; v7(44.81,71.84) 42.51,71.84 42.05,72.3 v1(42.05,72.65) ; v7(39.64,13.85) 39.35,13.85 39.19,14.01 27.27,14.01 26.07,15.21 v1(26.07,15.9) ; v7(52.55,66.21) 52.55,66.72
CPU_FLUSH#: length 74.8
  IC2 w0.08: v1(46.27,18.84) 46.27,25.32 47.41,26.46 47.41,53.74 48.16,54.49 51.09,54.49 51.9,55.3 51.9,66.59 53.87,68.56 v1(53.87,69.36)
  BC1 w0.08: v7(57.9,70.79) 56.89,70.79 v7(56.87,70.81) ; v7(53.85,70.3) 53.87,70.28 v1(53.87,69.36)
  BC2 w0.08: 51.28,67.99 51.28,68 51.28,68.33 51.55,68.6 53.7,68.6 53.87,68.77 v1(53.87,69.36) ; J12.2 65.83,67.88 64.87,67.88 64.15,68.6 64.15,69.32 63.97,69.5 62.44,69.5 62.29,69.65 61.85,69.65 60.71,70.79 v7(57.9,70.79) ; v7(56.87,70.81) 56.04,70.81 55.53,70.3 v7(53.85,70.3) ; v1(46.27,18.84) 46.24,18.87
  BC2 w0.2: 46.24,18.87 U76.C16
CPU_HLDA: length 65.2
  FC2 w0.08: J9.4 37.68,27.27 38.4,26.55 39.19,26.55 39.43,26.79 v3(39.43,27.6) ; v1(45.61,29.21) 45.13,29.21 45.04,29.3 v3(44.16,29.3)
  FC1 w0.08: v3(39.43,27.6) 39.55,27.48 43.11,27.48 44.16,28.53 v3(44.16,29.3)
  IC2 w0.08: v1(45.61,29.21) 45.55,29.21 45.06,29.7 45.06,55.55 45.77,56.26 50.52,56.26 51.12,56.86 51.12,68.35 51.24,68.47 v1(51.24,69.17)
  BC1 w0.08: v7(54.99,66.04) 54.99,66.31 54.24,67.06 54.24,68.67 54,68.91 v7(53.46,68.91)
  BC2 w0.08: v7(53.46,68.91) 52.48,68.91 52.22,69.17 v1(51.24,69.17) ; 56.36,65.45 55.87,65.45 55.29,66.04 v7(54.99,66.04)
  BC2 w0.4: U76.B9 45.58,29.21 v1(45.61,29.21)
